# Altium PCB PCB1.PcbDoc (part 2 of 4)
Units mm, origin at the board's own origin, x right, y up, seen from the top; angles counter-clockwise.
Board outline 200 x 70 mm, 6 copper layers (Top Layer, Int1 (GND), Int2 (Sign), Int3 (Sign), Int4 (GND), Bottom Layer), stack 1.597 mm thick; 448 components, 297 nets, 1385 pads, 258 vias.
Unrouted connection lines stored in the file: 535.
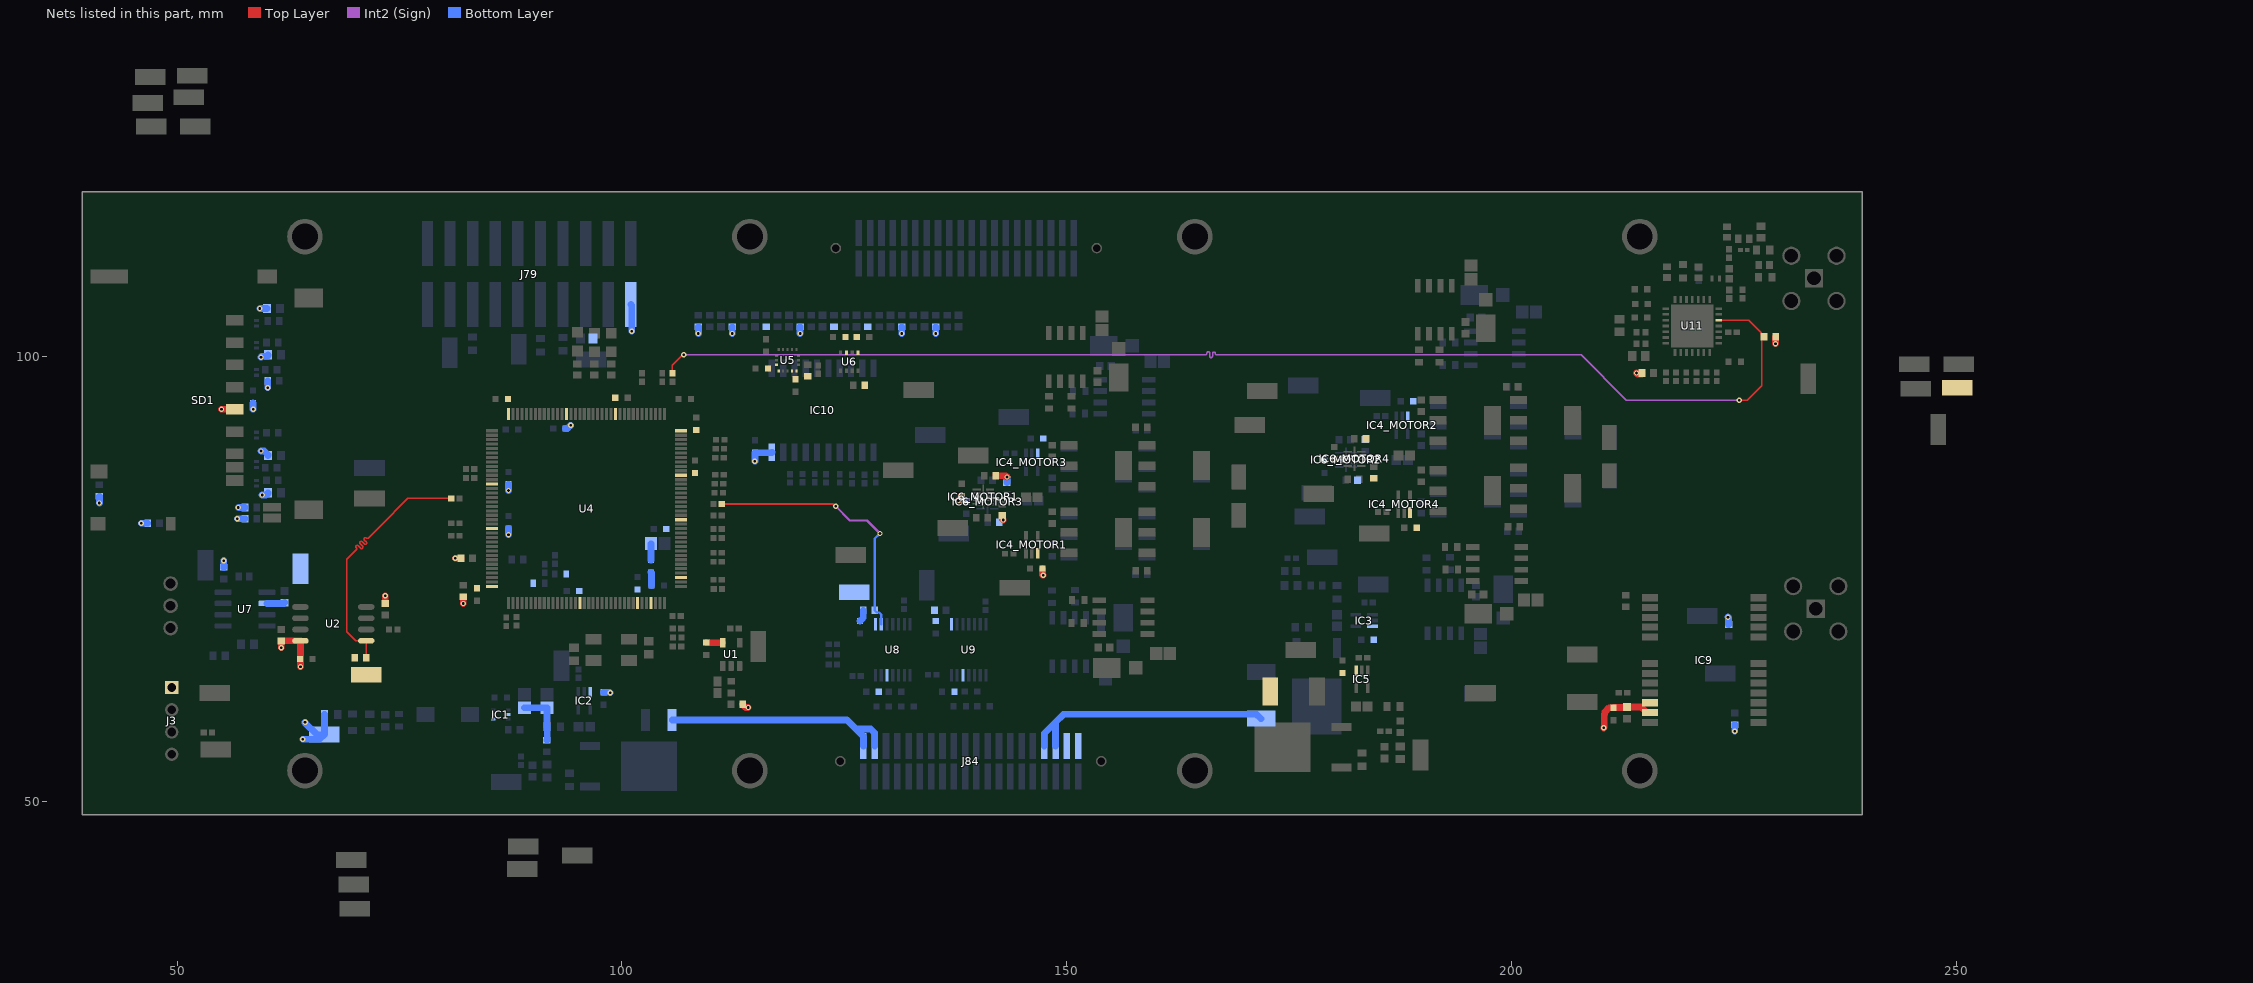
[diagram p6: the nets of this part, all layers, seen from the top]

## Footprints (in the part's own frame and the unit in brackets; to place one, negate y for a bottom-side part, rotate by r counter-clockwise, add the part's x,y. Pads: shape width x height; smd on the part's side, far side on the other; paste and mask are expansions set on the pad) (continued)
HTST-110-01-XX-DV [mil]
  rect 50x200 smd: 1(-450,-135) 2(-450,135) 3(-350,-135) 4(-350,135) 5(-250,-135) 6(-250,135) 7(-150,-135) 8(-150,135) 9(-50,-135) 10(-50,135) 11(50,-135) 12(50,135) 13(150,-135) 14(150,135) 15(250,-135) 16(250,135) 17(350,-135) 18(350,135) 19(450,-135) 20(450,135)
  silkscreen extent -595,-245 595,245
INF-PG-TO252-3-313_L [mm] "DPAK, 3-Leads, Body 6.5x6.12mm, Pitch 2.28mm, IPC High Density"
  rect 2.25x0.9 smd: 1(-4.3,2.28) 3(-4.3,-2.28)
  rect 6.3x5.55 smd: 2(2.3,0)
  silkscreen extent -4.42,-3.35 -1.25,3.4, body extent -2.15,-3.32 4.07,3.32, height 2.35
INSE-I62-16 [mm] "LGA, 16-Leads, Body 3x3mm, Pitch 0.5mm"
  rect 0.35x0.25 smd: 1(-1.225,1) 2(-1.225,0.5) 3(-1.225,0) 4(-1.225,-0.5) 5(-1.225,-1) 9(1.225,-1) 10(1.225,-0.5) 11(1.225,0) 12(1.225,0.5) 13(1.225,1)
  rect 0.25x0.35 smd: 6(-0.5,-1.225) 7(0,-1.225) 8(0.5,-1.225) 14(0.5,1.225) 15(0,1.225) 16(-0.5,1.225)
  body extent -1.5,-1.5 1.5,1.5, height 0.8
MOLX-503500-0991_V [mm] "SD Card, 9-Leads, Body 28.6x27.8mm"
  rect 1.2x1.95 smd: 1(-6.457,3.533) 2(-3.957,3.533) 3(-1.457,3.533) 4(1.043,3.533) 5(3.543,3.533) 6(6.043,3.533) 7(7.543,3.533) 8(9.043,3.533) 9(-8.957,3.533)
  rect 1.6x1.87 smd: 10(8.017,-11.727)
  rect 1.5x1.1 smd: 11(13.888,-3.672)
  rect 1x2 smd: 12(12.038,7.698) 13(13.237,7.698)
  rect 2.1x3.2 smd: 14(12.318,11.838) 15(-11.482,11.838)
  rect 1.55x2.2 smd: 16(-13.887,7.158)
  rect 1.55x4.17 smd: 17(-13.887,-10.577)
  rect 1.5x1.65 smd: 18(13.888,-11.837)
  Top Layer keep-out region: -12.532,13.94 -10.432,13.94 -10.432,15.49 -12.532,15.49
  Top Layer keep-out region: 11.265,13.938 13.365,13.938 13.365,15.488 11.265,15.488
  Top Layer keep-out region: -9.908,-4.945 -8.103,-4.945 -8.103,-2.545 -9.908,-2.545
  Top Layer keep-out region: -7.306,-7.444 12.434,-7.444 12.434,-4.944 -7.306,-4.944
  silkscreen extent -14.3,-12.36 14.3,16.22, body extent -14.3,-12.36 14.3,15.44, height 2.95
MOLX-731000114_V [mm] "Connector, 5-Leads, Body 14.8x6.35mm, Pitch 2.54mm"
  rect 2.05x2.05 hole 1.54: 1(0,0)
  round 2.05 hole 1.54: 2(-2.54,2.54) 3(-2.54,-2.54) 4(2.54,-2.54) 5(2.54,2.54)
  silkscreen extent -1.26,-3.17 3.17,3.17, body extent -11.62,-3.17 3.18,3.18, height 9.57
NEO7N0002 [mm]
  rect 1.8x0.8 smd: 1(6.1,-7) 2(6.1,-5.9) 3(6.1,-4.8) 4(6.1,-3.7) 5(6.1,-2.6) 6(6.1,-1.5) 7(6.1,-0.4) 8(6.1,2.6) 9(6.1,3.7) 10(6.1,4.8) 11(6.1,5.9) 12(6.1,7) 13(-6.1,7) 14(-6.1,5.9) 15(-6.1,4.8) 16(-6.1,3.7) 17(-6.1,2.6) 18(-6.1,-0.4) 19(-6.1,-1.5) 20(-6.1,-2.6) 21(-6.1,-3.7) 22(-6.1,-4.8) 23(-6.1,-5.9) 24(-6.1,-7)
  silkscreen extent -6.1,-8 7.6,8, body extent -6.1,-8 6.1,8, height 2.7
PNSC-FT-V-53x53-2_V [mm] "SMD, 2-Leads, Body 5.3x5.3mm, Height 6.1mm"
  rect 1.6x2.8 smd: 1(0,2.15) 2(0,-2.15)
  silkscreen extent -2.65,-2.65 2.65,2.65, body extent -2.65,-2.95 2.65,2.95, height 6.1
QFN40P170X200X55-12N [mm]
  rect 0.95x0.2 smd: 1(-0.75,0.8) 2(-0.75,0.4) 3(-0.75,0) 4(-0.75,-0.4) 5(-0.75,-0.8) 7(0.75,-0.8) 8(0.75,-0.4) 9(0.75,0) 10(0.75,0.4) 11(0.75,0.8)
  rect 0.2x0.95 smd: 6(0,-0.9) 12(0,0.9)
  silkscreen extent -1.32,1.3 -1.13,1.5, body extent -1,-0.85 1,0.85, height 0.55
RESC1005X40X25ML05T10 [mm] "Chip Resistor, 2-Leads, Body 1.00x0.50mm, IPC Low Density"
  rect 0.7x0.65 smd: 1(-0.475,0) 2(0.475,0)
  body extent -0.53,-0.27 0.53,0.28, height 0.4
RESC1508X46X38ML25T25 [mm] "Chip Resistor, 2-Leads, Body 1.52x0.76mm, IPC Low Density"
  rect 1.1x1.1 smd: 1(-0.65,0) 2(0.65,0)
  body extent -0.89,-0.51 0.88,0.5, height 0.46
RESC1608X55X25LL10T15 [mm] "Chip Resistor, 2-Leads, Body 1.60x0.80mm, IPC High Density"
  rect 0.6x0.8 smd: 1(-0.65,0) 2(0.65,0)
  body extent -0.85,-0.45 0.85,0.45, height 0.55
RESC1608X55X25ML10T15 [mm] "Chip Resistor, 2-Leads, Body 1.60x0.80mm, IPC Low Density"
  rect 0.8x1 smd: 1(-0.75,0) 2(0.75,0)
  body extent -0.85,-0.45 0.85,0.45, height 0.55
RESC1608X55X25NL10T15 [mm] "Chip Resistor, 2-Leads, Body 1.60x0.80mm, IPC Medium Density"
  rect 0.7x0.9 smd: 1(-0.7,0) 2(0.7,0)
  body extent -0.85,-0.45 0.85,0.45, height 0.55
RESC1608X55X30LL15T15 [mm] "Chip Resistor, 2-Leads, Body 1.75x0.95mm, IPC High Density"
  rect 0.75x0.85 smd: 1(-0.65,0) 2(0.65,0)
  body extent -0.87,-0.48 0.87,0.48, height 0.55
RESC1608X55X30ML15T15 [mm] "Chip Resistor, 2-Leads, Body 1.60x0.80mm, IPC Low Density"
  rect 0.9x1.05 smd: 1(-0.725,0) 2(0.725,0)
  body extent -0.87,-0.48 0.87,0.48, height 0.55
RESC1608X55X30ML20T20 [mm] "Chip Resistor, 2-Leads, Body 1.60x0.80mm, IPC Low Density"
  rect 1x1.1 smd: 1(-0.7,0) 2(0.7,0)
  body extent -0.9,-0.5 0.9,0.5, height 0.55
RESC1608X55X30NL15T15 [mm] "Chip Resistor, 2-Leads, Body 1.60x0.80mm, IPC Medium Density"
  rect 0.8x0.95 smd: 1(-0.675,0) 2(0.675,0)
  body extent -0.87,-0.48 0.87,0.48, height 0.55
RESC1609X50X30NL10T20 [mm] "Chip Resistor, 2-Leads, Body 1.55x0.85mm, IPC Medium Density"
  rect 0.8x0.95 smd: 1(-0.625,0) 2(0.625,0)
  body extent -0.82,-0.48 0.82,0.48, height 0.5
RESC1609X55X30LL15T15 [mm] "Chip Resistor, 2-Leads, Body 1.75x0.95mm, IPC High Density"
  rect 0.75x0.85 smd: 1(-0.65,0) 2(0.65,0)
  body extent -0.87,-0.48 0.88,0.47, height 0.55
SAMTEC_TFM-120-02-L-D-WT-K-TR [mm]
  rect 0.74x2.92 smd: 01(-12.065,-1.715) 02(-12.065,1.715) 03(-10.795,-1.715) 04(-10.795,1.715) 05(-9.525,-1.715) 06(-9.525,1.715) 07(-8.255,-1.715) 08(-8.255,1.715) 09(-6.985,-1.715) 10(-6.985,1.715) 11(-5.715,-1.715) 12(-5.715,1.715) 13(-4.445,-1.715) 14(-4.445,1.715) 15(-3.175,-1.715) 16(-3.175,1.715) 17(-1.905,-1.715) 18(-1.905,1.715) 19(-0.635,-1.715) 20(-0.635,1.715) 21(0.635,-1.715) 22(0.635,1.715) 23(1.905,-1.715) 24(1.905,1.715) 25(3.175,-1.715) 26(3.175,1.715) 27(4.445,-1.715) 28(4.445,1.715) 29(5.715,-1.715) 30(5.715,1.715) 31(6.985,-1.715) 32(6.985,1.715) 33(8.255,-1.715) 34(8.255,1.715) 35(9.525,-1.715) 36(9.525,1.715) 37(10.795,-1.715) 38(10.795,1.715) 39(12.065,-1.715) 40(12.065,1.715)
  round 1.19 hole 0.84: S1(14.655,0) S2(-14.655,0)
  silkscreen extent -16.04,-3.91 16.04,2.86
SHDRRA4W55P0X250_1X4_1240X1150X690P [mm]
  rect 1.5x1.5 hole 1: 1(0,0)
  round 1.5 hole 1: 2(-2.5,0) 3(-5,0) 4(-7.5,0)
  silkscreen extent -10.1,-2.42 2.6,9.33, body extent -9.95,-2.55 2.45,8.95, height 6.9
SMTC-QFN-28_V [mm] "QFN, 28-Leads, Body 6.1x6.1mm, Pitch 0.65mm, Thermal Pad 4.8x4.8mm"
  rect 0.75x0.3 smd: 1(-2.975,1.95) 2(-2.975,1.3) 3(-2.975,0.65) 4(-2.975,0) 5(-2.975,-0.65) 6(-2.975,-1.3) 7(-2.975,-1.95) 15(2.975,-1.95) 16(2.975,-1.3) 17(2.975,-0.65) 18(2.975,0) 19(2.975,0.65) 20(2.975,1.3) 21(2.975,1.95)
  rect 0.3x0.75 smd: 8(-1.95,-2.975) 9(-1.3,-2.975) 10(-0.65,-2.975) 11(0,-2.975) 12(0.65,-2.975) 13(1.3,-2.975) 14(1.95,-2.975) 22(1.95,2.975) 23(1.3,2.975) 24(0.65,2.975) 25(0,2.975) 26(-0.65,2.975) 27(-1.3,2.975) 28(-1.95,2.975)
  rect 4.8x4.8 smd: 29(0,0)
  silkscreen extent -3.97,-3.2 3.2,3.2, body extent -3.05,-3.05 3.05,3.05, height 1
SOIC127P600X175-8N#1 [mm]
  rect 1.525x0.65 smd: 1(-2.712,1.905) 2(-2.712,0.635) 3(-2.712,-0.635) 4(-2.712,-1.905) 5(2.712,-1.905) 6(2.712,-0.635) 7(2.712,0.635) 8(2.712,1.905)
  silkscreen extent -3.47,-2.45 1.6,2.58, body extent -3,-2.45 3,2.45, height 1.75
SOIC127P600X175-8N#2 [mm]
  rrect25% 1.9x0.6 smd: 1(-2.455,1.905) 2(-2.455,0.635) 3(-2.455,-0.635) 4(-2.455,-1.905) 5(2.455,-1.905) 6(2.455,-0.635) 7(2.455,0.635) 8(2.455,1.905)
  silkscreen extent -4.45,-2.52 1.95,2.6, body extent -3,-2.45 3,2.45, height 1.75
SOIC127P1032X265-20N [mm]
  rect 1.95x0.7 smd: 1(-4.725,5.715) 2(-4.725,4.445) 3(-4.725,3.175) 4(-4.725,1.905) 5(-4.725,0.635) 6(-4.725,-0.635) 7(-4.725,-1.905) 8(-4.725,-3.175) 9(-4.725,-4.445) 10(-4.725,-5.715) 11(4.725,-5.715) 12(4.725,-4.445) 13(4.725,-3.175) 14(4.725,-1.905) 15(4.725,-0.635) 16(4.725,0.635) 17(4.725,1.905) 18(4.725,3.175) 19(4.725,4.445) 20(4.725,5.715)
  silkscreen extent -5.7,-6.4 3.4,6.42, body extent -5.16,-6.4 5.16,6.4, height 2.65
SOT65P210X110-5N [mm]
  rect 1.2x0.4 smd: 1(-0.95,0.65) 2(-0.95,0) 3(-0.95,-0.65) 4(0.95,-0.65) 5(0.95,0.65)
  silkscreen extent -1.55,1.1 -0.35,1.1, body extent -1.05,-1 1.05,1, height 1.1
SOT230P700X180-4N [mm]
  rect 1.9x0.95 smd: 1(-3.05,2.3) 2(-3.05,0) 3(-3.05,-2.3)
  rect 1.9x3.25 smd: 4(3.05,0)
  silkscreen extent -4,-3.25 1.75,3.25, body extent -3.5,-3.25 3.5,3.25, height 1.8
SOTFL50P160X60-6N [mm]
  rect 0.475x0.3 smd: 1(-0.838,0.5) 2(-0.838,0) 3(-0.838,-0.5) 4(0.838,-0.5) 5(0.838,0) 6(0.838,0.5)
  silkscreen extent -1.07,-0.8 0.25,0.9, body extent -0.8,-0.8 0.8,0.8, height 0.6
SP432201ETG [mm]
  rect 0.35x0.6 smd: 1(-0.325,0) 2(0.325,0)
  silkscreen extent -1.1,-0.05 -1,0.05, body extent -0.5,-0.3 0.5,0.3, height 0.65
SPSN-SO-8_M [mm] "SOIC, 8-Leads, Body 5.3x5.3mm, Pitch 1.27mm, IPC Low Density"
  oval 1.85x0.65 smd: 1(-3.7,1.905) 2(-3.7,0.635) 3(-3.7,-0.635) 4(-3.7,-1.905) 5(3.7,-1.905) 6(3.7,-0.635) 7(3.7,0.635) 8(3.7,1.905)
  silkscreen extent -3.83,-2.65 2.37,2.9, body extent -4,-2.65 4,2.65, height 2.16
STM-LQFP144_V [mm] "Thin QFP, 144-Leads, Body 20x20mm, Pitch 0.5mm, ST Recommended"
  rect 1.35x0.35 smd: 1(-10.625,8.75) 2(-10.625,8.25) 3(-10.625,7.75) 4(-10.625,7.25) 5(-10.625,6.75) 6(-10.625,6.25) 7(-10.625,5.75) 8(-10.625,5.25) 9(-10.625,4.75) 10(-10.625,4.25) 11(-10.625,3.75) 12(-10.625,3.25) 13(-10.625,2.75) 14(-10.625,2.25) 15(-10.625,1.75) 16(-10.625,1.25) 17(-10.625,0.75) 18(-10.625,0.25) 19(-10.625,-0.25) 20(-10.625,-0.75) 21(-10.625,-1.25) 22(-10.625,-1.75) 23(-10.625,-2.25) 24(-10.625,-2.75) 25(-10.625,-3.25) 26(-10.625,-3.75) 27(-10.625,-4.25) 28(-10.625,-4.75) 29(-10.625,-5.25) 30(-10.625,-5.75) 31(-10.625,-6.25) 32(-10.625,-6.75) 33(-10.625,-7.25) 34(-10.625,-7.75) 35(-10.625,-8.25) 36(-10.625,-8.75) 73(10.625,-8.75) 74(10.625,-8.25) 75(10.625,-7.75) 76(10.625,-7.25) 77(10.625,-6.75) 78(10.625,-6.25) 79(10.625,-5.75) 80(10.625,-5.25) 81(10.625,-4.75) 82(10.625,-4.25) 83(10.625,-3.75) 84(10.625,-3.25) 85(10.625,-2.75) 86(10.625,-2.25) 87(10.625,-1.75) 88(10.625,-1.25) 89(10.625,-0.75) 90(10.625,-0.25) 91(10.625,0.25) 92(10.625,0.75) 93(10.625,1.25) 94(10.625,1.75) 95(10.625,2.25) 96(10.625,2.75) 97(10.625,3.25) 98(10.625,3.75) 99(10.625,4.25) 100(10.625,4.75) 101(10.625,5.25) 102(10.625,5.75) 103(10.625,6.25) 104(10.625,6.75) 105(10.625,7.25) 106(10.625,7.75) 107(10.625,8.25) 108(10.625,8.75)
  rect 0.35x1.35 smd: 37(-8.75,-10.625) 38(-8.25,-10.625) 39(-7.75,-10.625) 40(-7.25,-10.625) 41(-6.75,-10.625) 42(-6.25,-10.625) 43(-5.75,-10.625) 44(-5.25,-10.625) 45(-4.75,-10.625) 46(-4.25,-10.625) 47(-3.75,-10.625) 48(-3.25,-10.625) 49(-2.75,-10.625) 50(-2.25,-10.625) 51(-1.75,-10.625) 52(-1.25,-10.625) 53(-0.75,-10.625) 54(-0.25,-10.625) 55(0.25,-10.625) 56(0.75,-10.625) 57(1.25,-10.625) 58(1.75,-10.625) 59(2.25,-10.625) 60(2.75,-10.625) 61(3.25,-10.625) 62(3.75,-10.625) 63(4.25,-10.625) 64(4.75,-10.625) 65(5.25,-10.625) 66(5.75,-10.625) 67(6.25,-10.625) 68(6.75,-10.625) 69(7.25,-10.625) 70(7.75,-10.625) 71(8.25,-10.625) 72(8.75,-10.625) 109(8.75,10.625) 110(8.25,10.625) 111(7.75,10.625) 112(7.25,10.625) 113(6.75,10.625) 114(6.25,10.625) 115(5.75,10.625) 116(5.25,10.625) 117(4.75,10.625) 118(4.25,10.625) 119(3.75,10.625) 120(3.25,10.625) 121(2.75,10.625) 122(2.25,10.625) 123(1.75,10.625) 124(1.25,10.625) 125(0.75,10.625) 126(0.25,10.625) 127(-0.25,10.625) 128(-0.75,10.625) 129(-1.25,10.625) 130(-1.75,10.625) 131(-2.25,10.625) 132(-2.75,10.625) 133(-3.25,10.625) 134(-3.75,10.625) 135(-4.25,10.625) 136(-4.75,10.625) 137(-5.25,10.625) 138(-5.75,10.625) 139(-6.25,10.625) 140(-6.75,10.625) 141(-7.25,10.625) 142(-7.75,10.625) 143(-8.25,10.625) 144(-8.75,10.625)
  silkscreen extent -10.75,-9.55 9.55,9.6, body extent -10,-10 10,10, height 1.6
V4PAN50M3I [mm]
  rect 3.1x2.2 smd: 1(-1.21,0)
  rect 1.5x1.52 smd: 2(2.01,0)
  silkscreen extent -3.3,-1.3 2.12,1.3, body extent -2.54,-1.3 2.61,1.3, height 1.1
WE-PD-S-PB [mm] "SMD Inductor, 2-Leads, Body 7.3x7.3x3.5 mm"
  rect 2x1.7 smd: 1(-2.5,0) 2(2.5,0)
  silkscreen extent -3.8,-3.8 3.8,3.8, body extent -3.65,-3.65 3.65,3.65, height 3.19

## Part data
C1 C9 C10 C55_MOTOR1 C55_MOTOR2 C55_MOTOR3 C55_MOTOR4 C58_MOTOR1 C58_MOTOR2 C58_MOTOR3 C58_MOTOR4 C60 C62 C77 C78 C79 C80 C82 C83 C84 C85: library part CMP-2006-02216-2, Capacitance=1uF, Case Code (Imperial)=0603, Case Code (Metric)=1608, Dielectric=X5R, Dielectric Material=Ceramic, Manufacturer=Kemet, Manufacturer Part Number=C0603C105K3PACTU, Max Operating Temperature=85°C, Min Operating Temperature=-55°C, Package Quantity=4000, Supplier Part Number 1=80-C0603C105K3P, Tolerance=10%, Voltage=25V, Case/Package=0603, Category="Ceramic Capacitors", ComponentLink1Description=https://datasheet.ciiva.com/5998/40889-5998745.pdf?src-supplier=Farnell, ComponentLink1URL=https://datasheet.ciiva.com/5998/40889-5998745.pdf?src-supplier=Farnell, ComponentLink2Description=https://datasheet.ciiva.com/28610/1918694-28610792.pdf?src-supplier=Element14, ComponentLink2URL=https://datasheet.ciiva.com/28610/1918694-28610792.pdf?src-supplier=Element14, Construction=Flat, Contact Plating=Tin,Matte, Depth=0.8mm, Height=0.8mm, Lead Free="Lead Free", Length=1.6mm, Mount="Surface Mount,PCB", Number of Pins=2, Packaging="Tape and Reel", Part Number=C0603C105K3PAC7867, Pricing 1="1=0,30000, 10=0,15600, 50=0,15600, 100=0,09300, 500=0,08200, 1000=0,07300, 4000=0,05700, 10000=0,05700 (USD)", Radiation Hardening=No, REACH SVHC="No SVHC", RoHS=Yes, RoHS Compliant=Yes, Series=C0603C, Stock 1=10085, Supplier 1=Mouser, Termination=SMD/SMT, Thickness=0.034inch, Voltage Rating=25V, Voltage Rating (DC)=25V, Width=0.031inch
C2 C3 C11 C12 C15 C16 C19 C20 C21 C22 C23 C24 C25 C26 C27 C28 C29 C30 C31 C32 C42 C44 C45 C46 C47 C51 C52 C54 C57_MOTOR1 C57_MOTOR2 C57_MOTOR3 C57_MOTOR4 C63 C65 C66 C67 C68 C69 C70 C71 C72 C73 C74 C75 C76_MOTOR1 C76_MOTOR2 C76_MOTOR3 C76_MOTOR4 C81: library part CMP-08246-002186-1, "Cap Ceramic 100nF 25V X7R 10% Pad SMD 0603 +125°C Automotive T/R", Capacitance=100nF, Case Code (Imperial)=0603, Case Code (Metric)=1608, Dielectric=X7R, Manufacturer=TDK, Max Operating Temperature=125°C, Min Operating Temperature=-55°C, Package Quantity=1, Ratings=AEC-Q200, Resistor Type=Ceramic, Supplier Part Number 1=810-CGA3E2X7R1E104K, Tolerance=10%, Voltage Rating=25V, Case/Package=0603, Category="Ceramic Capacitors", ComponentLink1Description=https://datasheet.ciiva.com/24220/cga3e2x7r1e104k080aa-265934-24220022.pdf?src-supplier=Mouser, ComponentLink1URL=https://datasheet.ciiva.com/24220/cga3e2x7r1e104k080aa-265934-24220022.pdf?src-supplier=Mouser, ComponentLink2Description=https://datasheet.ciiva.com/22725/1735392-22725638.pdf?src-supplier=Element14, ComponentLink2URL=https://datasheet.ciiva.com/22725/1735392-22725638.pdf?src-supplier=Element14, ComponentLink3Description=https://datasheet.ciiva.com/22725/1735392-22725639.pdf?src-supplier=Element14, ComponentLink3URL=https://datasheet.ciiva.com/22725/1735392-22725639.pdf?src-supplier=Element14, ComponentLink4Description=https://datasheet.ciiva.com/16427/mlccspec-automotive-general-midvoltage-en-16427320.pdf?src-supplier=Future+Electronics, ComponentLink4URL=https://datasheet.ciiva.com/16427/mlccspec-automotive-general-midvoltage-en-16427320.pdf?src-supplier=Future+Electronics, ComponentLink5Description=https://datasheet.ciiva.com/23803/1735392-23803082.pdf?src-supplier=Newark, ComponentLink5URL=https://datasheet.ciiva.com/23803/1735392-23803082.pdf?src-supplier=Newark, Composition=Ceramic, Depth=0.8mm, Height=0.8mm, Lead Free="Lead Free", Length=1.6mm, Manufacturer Part Number=CGA3E2X7R1E104K080AA, Mount="Surface Mount", Packaging="Tape and Reel", Pricing 1="1=0,12000, 10=0,05600, 50=0,05600, 100=0,02500, 1000=0,01400, 10000=0,01000 (USD)", REACH SVHC="No SVHC", RoHS=Yes, RoHS Compliant=Yes, Series=CGA, Stock 1=488891, Supplier 1=Mouser, Termination=SMD/SMT, Thickness=0.035inch, Voltage Rating (DC)=25V, Weight=7.1E-05oz, Width=0.031inch
C4: library part CMP-2006-02720-1, Capacitance=22pF, Case Code (Imperial)=0603, Case Code (Metric)=1608, Dielectric=C0G, Manufacturer=Murata, Max Operating Temperature=125°C, Min Operating Temperature=-55°C, Package Quantity=1, Supplier Part Number 1=81-GRM1885C2A220JA01, Temperature Coefficient=30ppm/°C, Tolerance=5%, Voltage=100V, Case/Package=0603, Category="Ceramic Capacitors", ComponentLink1Description=https://datasheet.ciiva.com/16337/product-16337138.pdf?src-supplier=Future+Electronics, ComponentLink1URL=https://datasheet.ciiva.com/16337/product-16337138.pdf?src-supplier=Future+Electronics, ComponentLink2Description=https://datasheet.ciiva.com/11789/0900766b80ef921d-11789140.pdf?src-supplier=RSComponents, ComponentLink2URL=https://datasheet.ciiva.com/11789/0900766b80ef921d-11789140.pdf?src-supplier=RSComponents, ComponentLink3Description=https://datasheet.ciiva.com/19475/1857209-19475865.pdf?src-supplier=Jameco, ComponentLink3URL=https://datasheet.ciiva.com/19475/1857209-19475865.pdf?src-supplier=Jameco, ComponentLink4Description=https://datasheet.ciiva.com/29202/451275-da-01-en-vs-kondensator-0603-29202363.pdf?src-supplier=Conrad, ComponentLink4URL=https://datasheet.ciiva.com/29202/451275-da-01-en-vs-kondensator-0603-29202363.pdf?src-supplier=Conrad, ComponentLink5Description=https://datasheet.ciiva.com/132/partnumbering-e-01-132301.pdf?src-supplier=Digi-Key, ComponentLink5URL=https://datasheet.ciiva.com/132/partnumbering-e-01-132301.pdf?src-supplier=Digi-Key, ComponentLink6Description=https://datasheet.ciiva.com/132/partnumbering-e-01-132302.pdf?src-supplier=Digi-Key, ComponentLink6URL=https://datasheet.ciiva.com/132/partnumbering-e-01-132302.pdf?src-supplier=Digi-Key, ComponentLink7Description=https://datasheet.ciiva.com/132/partnumbering-e-01-132303.pdf?src-supplier=Digi-Key, ComponentLink7URL=https://datasheet.ciiva.com/132/partnumbering-e-01-132303.pdf?src-supplier=Digi-Key, Construction=Flat, Depth=0.8mm, Height=0.8mm, Lead Free="Lead Free", Length=1.6mm, Manufacturer Part Number=GRM1885C2A220JA01D, Material=Ceramic, Mount="Surface Mount", Packaging="Tape and Reel", Part Number=GRM1885C2A220JA01D, Pricing 1="1=0,12000, 10=0,07500, 50=0,07500, 100=0,03600, 1000=0,02100, 10000=0,01600 (USD)", Radiation Hardening=No, REACH SVHC="No SVHC", RoHS=Yes, RoHS Compliant=Yes, Series=GRM, Size=0.8mm, Stock 1=57112, Supplier 1=Mouser, Termination=SMD/SMT, Thickness=0.035inch, Voltage Rating=100V, Voltage Rating (DC)=100V, Width=0.031inch
C5 C6: library part CMP-2000-06037-2, "CAP CER 22UF 16V X5R 0805", Capacitance=22uF, Case Code (Imperial)=0805, Case Code (Metric)=2012, Dielectric=X5R, Dielectric Material=Ceramic, Manufacturer=TDK, Max Operating Temperature=85°C, Min Operating Temperature=-55°C, Package=C2012-125, Package Quantity=1, Supplier Part Number 1=810-C2012X5R1C226K, Temperature="-55°C to +85°C", Temperature Coefficient=15%, Temperature Range High=+85°C, Tolerance=10%, Voltage=16V, Automotive=No, Case/Package=0805, Category=Cap, ComponentLink1Description=https://datasheet.ciiva.com/24399/prc2012x5r-24399250.pdf?src-supplier=Onlinecomponents.com, ComponentLink1URL=https://datasheet.ciiva.com/24399/prc2012x5r-24399250.pdf?src-supplier=Onlinecomponents.com, ComponentLink2Description=Datasheet, ComponentLink2URL=https://product.tdk.com/info/en/catalog/datasheets/mlcc_commercial_general_en.pdf, ComponentLink3Description=https://datasheet.ciiva.com/6286/tdkmlcccaprange-6286857.pdf?src-supplier=Digi-Key, ComponentLink3URL=https://datasheet.ciiva.com/6286/tdkmlcccaprange-6286857.pdf?src-supplier=Digi-Key, ComponentLink4Description=https://datasheet.ciiva.com/6286/tdkmlcccaprange-6286859.pdf?src-supplier=Digi-Key, ComponentLink4URL=https://datasheet.ciiva.com/6286/tdkmlcccaprange-6286859.pdf?src-supplier=Digi-Key, ComponentLink5Description=https://datasheet.ciiva.com/6286/tdkmlcccaprange-6286860.pdf?src-supplier=Digi-Key, ComponentLink5URL=https://datasheet.ciiva.com/6286/tdkmlcccaprange-6286860.pdf?src-supplier=Digi-Key, ComponentLink6Description=https://datasheet.ciiva.com/48671/mlcc-commercial-general-en-48671373.pdf?src-supplier=Avnet, ComponentLink6URL=https://datasheet.ciiva.com/48671/mlcc-commercial-general-en-48671373.pdf?src-supplier=Avnet, ComponentLink7Description=https://datasheet.ciiva.com/22719/1796654-22719550.pdf?src-supplier=Element14, ComponentLink7URL=https://datasheet.ciiva.com/22719/1796654-22719550.pdf?src-supplier=Element14, ComponentLink8Description=https://datasheet.ciiva.com/23803/1796654-23803023.pdf?src-supplier=Newark, ComponentLink8URL=https://datasheet.ciiva.com/23803/1796654-23803023.pdf?src-supplier=Newark, Construction=Flat, Depth=1.25mm, Device Class L1="Passive Components", Device Class L2=Capacitors, Device Class L3="Ceramic Capacitors", Digikey Description="CAP CER 22UF 16V X5R 0805", Footprint Url=https://product.tdk.com/info/en/catalog/spec/mlccspec_commercial_general_midvoltage_en.pdf, Height=1.45mm, Ipc Land Pattern Name=CAPC200125X125, Lead Free=Yes, Length=2mm, Manufacturer Part Number=C2012X5R1C226K125AC, Material=Ceramic, Mount="Surface Mount", Number of Pins=2, Octopart=https://octopart.com/c2012x5r1c226k125ac-tdk-25947713, Packaging="Tape and Reel", Pricing 1="1=0,73000, 10=0,49600, 50=0,49600, 100=0,34200, 1000=0,23700, 10000=0,22000 (USD)", REACH SVHC="No SVHC", Resistor Type=Ceramic, RoHS=TRUE, RoHS Compliant=Yes, Series=C, Stock 1=110317, Supplier 1=Mouser, Temperature Characteristic=X5R, Temperature Range Low=-55°C, Termination=Wraparound, Thickness=0.057inch, Voltage Rating=16V, Voltage Rating (DC)=16V, Weight=0.000194oz, Width=0.049inch
C7 C8 C56_MOTOR1 C56_MOTOR2 C56_MOTOR3 C56_MOTOR4 C59_MOTOR1 C59_MOTOR2 C59_MOTOR3 C59_MOTOR4 C64: library part CMP-08246-002675-1, "Multilayer Ceramic Capacitors 10μF ±10% 25V X5R SMD 0805", Capacitance=10uF, Case Code (Imperial)=0805, Case Code (Metric)=2012, Dielectric=X5R, Dielectric Material=Ceramic, Manufacturer=TDK, Max Operating Temperature=85°C, Min Operating Temperature=-55°C, Package Quantity=1, Supplier Part Number 1=810-C2012X5R1E106K, Tolerance=10%, Voltage=25V, Case/Package=0805, Category="Ceramic Capacitors", ComponentLink1Description=https://datasheet.ciiva.com/22725/1913358-22725561.pdf?src-supplier=Element14, ComponentLink1URL=https://datasheet.ciiva.com/22725/1913358-22725561.pdf?src-supplier=Element14, ComponentLink2Description=https://datasheet.ciiva.com/16394/general-b11-16394044.pdf?src-supplier=Future+Electronics, ComponentLink2URL=https://datasheet.ciiva.com/16394/general-b11-16394044.pdf?src-supplier=Future+Electronics, ComponentLink3Description=https://datasheet.ciiva.com/24216/mlcc-commercial-general-en-24216237.pdf?src-supplier=Mouser, ComponentLink3URL=https://datasheet.ciiva.com/24216/mlcc-commercial-general-en-24216237.pdf?src-supplier=Mouser, Depth=1.25mm, Height=1.25mm, Lead Free="Lead Free", Length=2mm, Manufacturer Part Number=C2012X5R1E106K125AB, Mount="Surface Mount", Packaging="Tape and Reel", Pricing 1="1=0,34000, 10=0,24100, 50=0,24100, 100=0,14400, 1000=0,09100, 10000=0,08800 (USD)", REACH SVHC="No SVHC", Resistor Type=Ceramic, RoHS=Yes, Series=C, Stock 1=75897, Supplier 1=Mouser, Termination=SMD/SMT, Thickness=0.057inch, Voltage Rating=25V, Voltage Rating (DC)=25V, Weight=0.000194oz, Width=0.049inch
C14 C40 C41 C50: library part CMP-2006-01493-1, Capacitance=15pF, Case Code (Imperial)=0603, Case Code (Metric)=1608, Dielectric=C0G, Manufacturer=Vitramon, Max Operating Temperature=125°C, Min Operating Temperature=-55°C, Package Quantity=1, Supplier Part Number 1=77-VJ0603D150JXPAJ, Temperature Coefficient=30ppm/°C, Tolerance=5%, Voltage=250V, Case/Package=0603, Category="Ceramic Capacitors", ComponentLink1Description=https://datasheet.ciiva.com/30503/0900766b812428e7-30503866.pdf?src-supplier=RSComponents, ComponentLink1URL=https://datasheet.ciiva.com/30503/0900766b812428e7-30503866.pdf?src-supplier=RSComponents, ComponentLink2Description=https://datasheet.ciiva.com/11484/vjhifreq-11484678.pdf?src-supplier=Avnet, ComponentLink2URL=https://datasheet.ciiva.com/11484/vjhifreq-11484678.pdf?src-supplier=Avnet, ComponentLink3Description=https://datasheet.ciiva.com/16511/vj0402dseries-16511368.pdf?src-supplier=Future+Electronics, ComponentLink3URL=https://datasheet.ciiva.com/16511/vj0402dseries-16511368.pdf?src-supplier=Future+Electronics, ComponentLink4Description=https://datasheet.ciiva.com/6252/vjhifreq-6252938.pdf?src-supplier=Digi-Key, ComponentLink4URL=https://datasheet.ciiva.com/6252/vjhifreq-6252938.pdf?src-supplier=Digi-Key, ComponentLink5Description=https://datasheet.ciiva.com/6252/vjhifreq-6252941.pdf?src-supplier=Digi-Key, ComponentLink5URL=https://datasheet.ciiva.com/6252/vjhifreq-6252941.pdf?src-supplier=Digi-Key, Construction=Flat, Depth=0.8mm, Height=0.92mm, Lead Free="Lead Free", Length=1.6mm, Manufacturer Part Number=VJ0603D150JXPAJ, Mount="Surface Mount,PCB", Packaging="Tape and Reel", Part Number=VJ0603D150JXPAJ, Pricing 1="1=0,36000, 10=0,25100, 50=0,25100, 100=0,15100, 1000=0,09500, 10000=0,09500 (USD)", Radiation Hardening=No, REACH SVHC=Unknown, RoHS=Yes, RoHS Compliant=Yes, Series="VJ HIFREQ", Stock 1=8975, Supplier 1=Mouser, Termination=SMD/SMT, Thickness=0.037inch, Voltage Rating=250V, Voltage Rating (DC)=250V, Width=0.8mm
C17 C18: library part CMP-08246-003049-1, "Multilayer Ceramic Capacitors 2.2μF ±10% 25V X5R SMD 0603", Capacitance=2.2uF, Case Code (Imperial)=0603, Case Code (Metric)=1608, Dielectric=X5R, Dielectric Material=Ceramic, Manufacturer=TDK, Max Operating Temperature=85°C, Min Operating Temperature=-55°C, Package Quantity=4000, Supplier Part Number 1=810-C1608X5R1E225K, Tolerance=10%, Voltage Rating=25V, Case/Package=0603, Category="Ceramic Capacitors", ComponentLink1Description=https://datasheet.ciiva.com/26834/getdatasheetpartid-750446-26834363.pdf?src-supplier=Verical, ComponentLink1URL=https://datasheet.ciiva.com/26834/getdatasheetpartid-750446-26834363.pdf?src-supplier=Verical, ComponentLink2Description=https://datasheet.ciiva.com/28693/mlcc-commercial-general-en-28693433.pdf?src-supplier=Element14, ComponentLink2URL=https://datasheet.ciiva.com/28693/mlcc-commercial-general-en-28693433.pdf?src-supplier=Element14, ComponentLink3Description=https://datasheet.ciiva.com/6290/tdkmlcccaprange-6290830.pdf?src-supplier=Digi-Key, ComponentLink3URL=https://datasheet.ciiva.com/6290/tdkmlcccaprange-6290830.pdf?src-supplier=Digi-Key, ComponentLink4Description=https://datasheet.ciiva.com/28451/1796654-28451166.pdf?src-supplier=Element14, ComponentLink4URL=https://datasheet.ciiva.com/28451/1796654-28451166.pdf?src-supplier=Element14, ComponentLink5Description=https://datasheet.ciiva.com/24220/mlcc-commercial-general-en-24220495.pdf?src-supplier=Mouser, ComponentLink5URL=https://datasheet.ciiva.com/24220/mlcc-commercial-general-en-24220495.pdf?src-supplier=Mouser, Depth=0.8mm, Height=0.8mm, Lead Free="Lead Free", Length=1.6mm, Manufacturer Part Number=C1608X5R1E225K080AB, Mount="Surface Mount", Packaging="Tape and Reel", Pricing 1="1=0,23000, 10=0,13500, 50=0,13500, 100=0,06900, 1000=0,04700, 10000=0,03800 (USD)", Radiation Hardening=No, REACH SVHC="No SVHC", Resistor Type=Ceramic, RoHS=Yes, RoHS Compliant=Yes, Series=C, Stock 1=34439, Supplier 1=Mouser, Termination=SMD/SMT, Thickness=0.035inch, Voltage Rating (DC)=25V, Weight=7.1E-05oz, Width=0.031inch
C33: library part CMP-2006-04663-1, Capacitance=1.2pF, Case Code (Imperial)=0603, Case Code (Metric)=1608, Dielectric=C0G, Dielectric Material=Ceramic, Manufacturer="AVX Interconnect / Elco", Max Operating Temperature=125°C, Min Operating Temperature=-55°C, Package Quantity=4000, Supplier Part Number 1=581-06032U1R2BAT2A, Temperature Coefficient=30ppm/°C, Tolerance=2%, Voltage=200V, Case/Package=0603, Category="Ceramic Capacitors", ComponentLink1Description=https://datasheet.ciiva.com/26939/getdatasheetpartid-777450-26939684.pdf?src-supplier=Verical, ComponentLink1URL=https://datasheet.ciiva.com/26939/getdatasheetpartid-777450-26939684.pdf?src-supplier=Verical, ComponentLink2Description=https://datasheet.ciiva.com/11787/0900766b80def273-11787231.pdf?src-supplier=RSComponents, ComponentLink2URL=https://datasheet.ciiva.com/11787/0900766b80def273-11787231.pdf?src-supplier=RSComponents, ComponentLink3Description=https://datasheet.ciiva.com/11573/useries-11573174.pdf?src-supplier=Avnet, ComponentLink3URL=https://datasheet.ciiva.com/11573/useries-11573174.pdf?src-supplier=Avnet, ComponentLink4Description=https://datasheet.ciiva.com/17489/useries-17489479.pdf?src-supplier=Avnet+Europe, ComponentLink4URL=https://datasheet.ciiva.com/17489/useries-17489479.pdf?src-supplier=Avnet+Europe, ComponentLink5Description=https://datasheet.ciiva.com/1124/319610-1124475.pdf?src-supplier=Element14, ComponentLink5URL=https://datasheet.ciiva.com/1124/319610-1124475.pdf?src-supplier=Element14, ComponentLink6Description=https://datasheet.ciiva.com/16327/useries-16327211.pdf?src-supplier=Future+Electronics, ComponentLink6URL=https://datasheet.ciiva.com/16327/useries-16327211.pdf?src-supplier=Future+Electronics, ComponentLink7Description=https://datasheet.ciiva.com/1124/319610-1124476.pdf?src-supplier=Element14, ComponentLink7URL=https://datasheet.ciiva.com/1124/319610-1124476.pdf?src-supplier=Element14, ComponentLink8Description=https://datasheet.ciiva.com/207/useries-207423.pdf?src-supplier=Digi-Key, ComponentLink8URL=https://datasheet.ciiva.com/207/useries-207423.pdf?src-supplier=Digi-Key, Construction=Flat, Contact Plating=Tin,Matte, Depth=0.76mm, Height=0.91mm, Lead Free="Lead Free", Length=1.52mm, Manufacturer Part Number=06032U1R2BAT2A, Mount="Surface Mount", Packaging="Tape and Reel", Part Number=06032U1R2BAT2A, Pricing 1="1=0,38000, 10=0,26500, 50=0,26500, 100=0,15000, 500=0,11000, 1000=0,09700, 4000=0,08200, 8000=0,06700, 10000=0,06700 (USD)", Radiation Hardening=No, REACH SVHC="No SVHC", Resistor Type=Ceramic, RoHS=Yes, RoHS Compliant=Yes, Series=U, Stock 1=554, Supplier 1=Mouser, Termination=SMD/SMT, Thickness=0.036inch, Voltage Rating=200V, Voltage Rating (DC)=200V, Width=0.81mm
C34: library part CMP-2008-02490-1, Capacitance=2.2pF, Case Code (Imperial)=0402, Case Code (Metric)=1005, Dielectric=C0G, Manufacturer="AVX Interconnect / Elco", Max Operating Temperature=125°C, Min Operating Temperature=-55°C, Package Quantity=10000, Supplier Part Number 1=581-04023A2R2CAT2A, Voltage Rating=25V, Case/Package=0402, Category="Ceramic Capacitors", ComponentLink1Description=https://datasheet.ciiva.com/206/ccog-206373.pdf?src-supplier=Digi-Key, ComponentLink1URL=https://datasheet.ciiva.com/206/ccog-206373.pdf?src-supplier=Digi-Key, ComponentLink2Description=https://datasheet.ciiva.com/5447/ccog-243403-5447334.pdf?src-supplier=Mouser, ComponentLink2URL=https://datasheet.ciiva.com/5447/ccog-243403-5447334.pdf?src-supplier=Mouser, ComponentLink3Description=https://datasheet.ciiva.com/11572/ccog-11572039.pdf?src-supplier=Avnet, ComponentLink3URL=https://datasheet.ciiva.com/11572/ccog-11572039.pdf?src-supplier=Avnet, Construction=Flat, Depth=0.5mm, Lead Free="Lead Free", Length=1mm, Manufacturer Part Number=04023A2R2CAT2A, Mount="Surface Mount", Packaging="Tape and Reel", Part Number=04023A2R2CAT2A, Pricing 1="1=0,32000, 10=0,22700, 50=0,22700, 100=0,12800, 1000=0,08700, 10000=0,05700 (USD)", Radiation Hardening=No, RoHS=Yes, RoHS Compliant=Yes, Series=-, Stock 1=6118, Supplier 1=Mouser, Termination=SMD/SMT, Thickness=0.022inch, Voltage Rating (DC)=25V, Width=0.02inch